# Altium PCB DIOT_Backplane.pcbdoc (part 5 of 11)
Units mm, origin at the board's own origin, x right, y up, seen from the top; angles counter-clockwise.
Board outline 304.8 x 128.5 mm, 14 copper layers (Top Layer, L2, L3GND, L4, L5GND, L6, L7GND, L8, L9GND, L10, L11GND, L12, L13GND, Bottom Layer), stack 4.06 mm thick; 141 components, 1224 nets, 5318 pads, 471 vias.
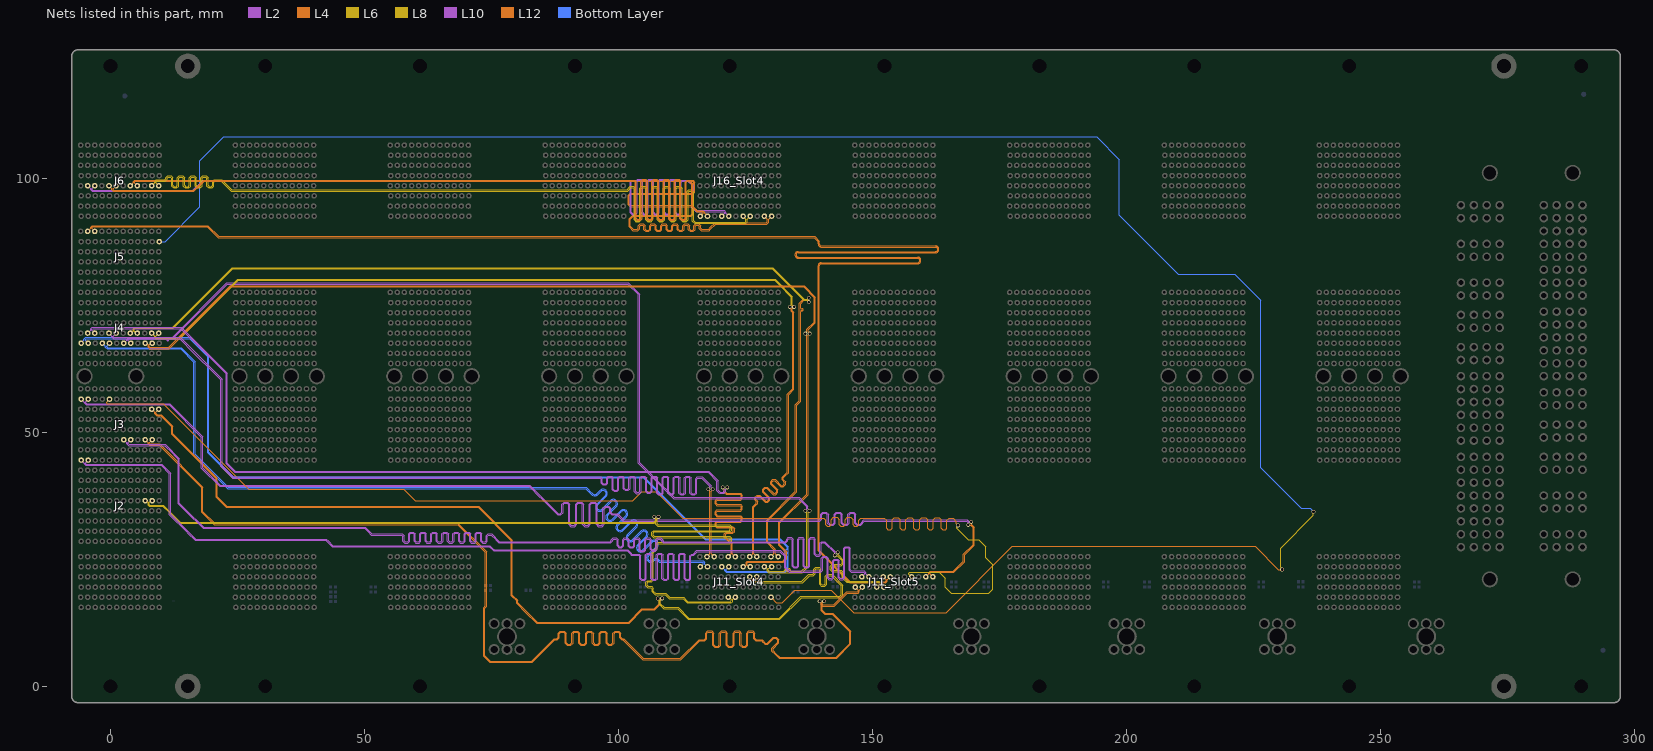
[diagram p17: the nets of this part, all layers, seen from the top]

## Via types
v1: diameter 0.75, hole 0.5, Top Layer to Bottom Layer, tented both sides, 429 vias
v2: diameter 0.85, hole 0.5, Top Layer to Bottom Layer, tented both sides, 32 vias
v3: diameter 1.3, hole 1, Top Layer to Bottom Layer, tented both sides, 10 vias

## Nets (pads, with @x,y where several pads share a name; then routed paths per layer and width w, separated by ;. In a path a pad name is that pad's centre, name@x,y a point inside that pad or via, vN(x,y) a via of type N, cw(c..) or ccw(c..) an arc to the next point about the centre after c; other vN are vias at no path point) (continued)
4_DIFF_4_N: J3.L6 J11_Slot4.I4 | length 198
  L8 w0.12: v1@107.709,17.311 107.709,17.233 108.013,16.929 108.013,16.15 108.909,15.254 111.703,15.254 113.776,13.181 131.751,13.181 136.05,17.48 139.048,17.48 139.055,17.487 140.793,17.487 140.8,17.48 143.65,17.48 144.131,17.962 144.131,19.946 142.057,22.02 141.379,22.02 141.129,22.02 140.75,21.641 140.75,20.234 140.53,20.013 140.089,20.013 139.868,20.234 139.868,23.056 139.49,23.435 138.825,23.435 138.446,23.056 138.446,22.24 138.226,22.02 137.959,22.02 137.51,22.02 136.13,20.64 129.663,20.64 129.615,20.688 126.767,20.688 126.675,20.78 126.675,21.182 127.043,21.55 J11_Slot4.I4@127.24,21.55
  L12 w0.102: J3.L6@9.52,54.55 8.935,53.965 8.935,53.793 9.246,53.482 10.006,53.482 12.302,51.186 12.302,49.699 21.041,40.959 21.041,37.286 22.88,35.447 72.486,35.447 79.141,28.792 79.141,23.267 79.141,17.971 80.208,16.904 80.208,16.444 81.804,14.847 84.037,12.615 101.993,12.615 104.643,15.265 107.082,15.265 108.033,16.216 108.033,16.987 v1@107.709,17.311
  other v1: 107.734,17.296
4_DIFF_4_P: J3.K6 J11_Slot4.H4 | length 197.8
  L8 w0.12: v1(108.586,17.311) 108.586,17.233 108.283,16.929 108.283,16.262 109.021,15.524 111.815,15.524 113.888,13.45 131.639,13.45 135.938,17.75 138.936,17.75 138.943,17.757 140.905,17.757 140.912,17.75 143.538,17.75 143.861,18.073 143.861,19.834 141.946,21.75 141.379,21.75 141.24,21.75 141.02,21.53 141.02,20.122 140.641,19.744 139.977,19.744 139.598,20.122 139.598,22.944 139.378,23.165 138.937,23.165 138.716,22.944 138.716,22.129 138.338,21.75 137.959,21.75 137.622,21.75 136.242,20.37 129.551,20.37 129.504,20.418 126.655,20.418 126.405,20.668 126.405,21.182 126.037,21.55 J11_Slot4.H4@125.84,21.55
  L12 w0.102: J3.K6@8.12,54.55 8.706,53.964 8.706,53.698 9.151,53.253 9.911,53.253 12.073,51.092 12.073,49.604 20.812,40.864 20.812,37.191 22.785,35.218 72.391,35.218 78.912,28.697 78.912,23.362 78.912,17.876 79.979,16.81 79.979,16.349 81.71,14.618 83.943,12.385 102.087,12.385 104.737,15.035 107.177,15.035 108.262,16.121 108.262,16.987 v1(108.586,17.311)
4_DIFF_5_N: J4.H3 J11_Slot4.K5 | length 199.4
  L8 w0.12: J11_Slot4.K5@130.14,23.55 129.943,23.55 129.535,23.142 129.535,22.807 129.696,22.645 132.163,22.645 132.524,22.645 ccw(c132.524,22.832) 132.71,22.852 cw(c132.896,22.872) 132.877,23.057 cw(c132.896,22.872) 133.082,22.891 133.089,22.831 ccw(c133.275,22.851) 133.294,22.665 ccw(c133.275,22.851) 133.461,22.87 133.451,22.957 cw(c133.637,22.977) 133.618,23.163 cw(c133.637,22.977) 133.823,22.996 133.843,22.813 ccw(c134.029,22.832) 134.029,22.645 134.579,22.645 136.037,22.645 137.057,23.665 137.057,34.198 136.766,34.489 v1(136.766,34.583)
  L10 w0.102: J4.H3@4.02,67.55 3.434,68.135 3.434,68.262 3.598,68.426 10.129,68.426 10.52,68.426 10.927,68.426 cw(c10.927,68.248) 11.105,68.248 ccw(c11.283,68.248) 11.283,68.07 ccw(c11.283,68.248) 11.461,68.248 cw(c11.639,68.248) 11.639,68.426 12.033,68.426 12.273,68.426 23.032,79.186 101.884,79.186 103.933,77.137 103.933,43.913 109.058,38.788 110.896,36.95 135.52,36.95 136.52,35.95 137.077,35.393 137.077,34.934 136.766,34.622 v1(136.766,34.583)
4_DIFF_5_P: J4.G3 J11_Slot4.J5 | length 199.4
  L8 w0.12: J11_Slot4.J5@128.74,23.55 128.857,23.55 129.265,23.142 129.265,22.695 129.584,22.375 136.149,22.375 137.326,23.553 137.326,34.198 137.618,34.489 v1(137.618,34.583)
  L10 w0.102: J4.G3@2.62,67.55 3.206,68.135 3.206,68.357 3.503,68.655 12.178,68.655 22.938,79.415 101.979,79.415 104.162,77.232 104.162,44.008 109.058,39.112 109.22,38.95 110.991,37.179 135.615,37.179 136.52,36.274 137.306,35.488 137.306,34.934 137.618,34.622 v1(137.618,34.583)
4_DIFF_6_N: J4.K3 J11_Slot4.H5 | length 202.7
  L4 w0.102: J4.K3@8.22,67.55 7.959,67.55 7.634,67.226 7.634,66.843 7.672,66.805 7.763,66.714 11.492,66.714 23.618,78.841 136.577,78.841 138.781,76.637 138.781,71.587 137.349,70.155 137.349,69.801 137.66,69.489 v1(137.66,69.45)
  L12 w0.102: J11_Slot4.H5@125.94,23.55 125.679,23.55 125.355,23.874 125.355,24.295 125.483,24.423 132.449,24.423 133.116,25.09 133.116,26.525 132.338,27.303 131.762,27.879 131.762,32.162 137.349,37.749 137.349,69.15 137.649,69.45 v1(137.66,69.45)
4_DIFF_6_P: J4.J3 J11_Slot4.G5 | length 202.7
  L4 w0.102: J4.J3@6.82,67.55 7.081,67.55 7.405,67.226 7.405,66.748 7.51,66.644 7.668,66.485 11.587,66.485 23.713,78.612 136.482,78.612 138.552,76.542 138.552,71.682 137.12,70.25 137.12,69.801 136.808,69.489 v1(136.808,69.45)
  L12 w0.102: J11_Slot4.G5@124.54,23.55 124.801,23.55 125.126,23.874 125.126,24.39 125.388,24.652 132.354,24.652 132.887,25.185 132.887,26.43 132.176,27.141 132.014,27.303 131.533,27.785 131.533,32.257 137.12,37.844 137.12,69.15 136.82,69.45 v1(136.808,69.45)
4_DIFF_7_N: J4.C4 J11_Slot4.F6 | length 198.1
  L2 w0.102: J4.C4@-3.08,69.55 -3.665,70.136 -3.665,70.272 -3.514,70.423 11.25,70.423 13.894,70.423 17.613,66.705 22.774,61.543 22.774,43.859 24.512,42.121 117.679,42.121 119.4,40.4 119.4,38.527 119.797,38.13 119.915,38.012 120.739,38.012 121.095,38.367 121.095,38.804 121.407,39.116 v1(121.407,39.155)
  L12 w0.102: v1(121.407,39.155) 121.407,39.116 121.095,38.804 121.095,38.332 121.095,38.214 121.311,37.998 124.047,37.998 124.397,37.648 124.397,37.026 124.047,36.676 119.458,36.676 119.242,36.46 119.242,36.028 119.458,35.812 124.047,35.812 124.397,35.462 124.397,34.84 124.047,34.49 119.458,34.49 119.242,34.274 119.242,33.842 119.458,33.626 124.047,33.626 124.397,33.276 124.397,32.654 124.047,32.304 119.458,32.304 119.242,32.088 119.242,31.656 119.458,31.44 122.521,31.44 122.871,31.09 122.871,30.468 122.521,30.118 121.311,30.118 121.095,29.902 121.095,29.601 121.095,29.395 121.64,28.85 122.454,28.036 122.454,26.136 J11_Slot4.F6@123.04,25.55
4_DIFF_7_P: J4.B4 J11_Slot4.E6 | length 198.1
  L2 w0.102: J4.B4@-4.48,69.55 -3.895,70.136 -3.895,70.366 -3.609,70.652 11.345,70.652 13.989,70.652 17.613,67.029 23.003,61.638 23.003,43.954 24.606,42.35 117.774,42.35 119.216,40.908 119.629,40.495 119.629,38.621 120.01,38.241 120.645,38.241 120.866,38.462 120.866,38.804 120.555,39.116 v1(120.555,39.155)
  L12 w0.102: v1(120.555,39.155) 120.555,39.116 120.866,38.804 120.866,38.332 120.866,38.119 121.216,37.769 123.952,37.769 124.168,37.553 124.168,37.121 123.952,36.905 119.363,36.905 119.013,36.555 119.013,35.933 119.363,35.583 123.952,35.583 124.168,35.367 124.168,34.935 123.952,34.719 119.363,34.719 119.013,34.369 119.013,33.747 119.363,33.397 123.952,33.397 124.168,33.181 124.168,32.749 123.952,32.533 119.363,32.533 119.013,32.183 119.013,31.561 119.363,31.211 122.426,31.211 122.642,30.995 122.642,30.563 122.426,30.347 121.216,30.347 120.866,29.997 120.866,29.601 120.866,29.3 121.478,28.688 121.64,28.526 122.226,27.941 122.226,26.136 J11_Slot4.E6@121.64,25.55
4_DIFF_8_N: J4.F4 J11_Slot4.C6 | length 202.7
  L2 w0.102: J4.F4@1.12,69.55 0.534,68.965 0.534,68.864 0.728,68.671 9.24,68.671 13.703,68.671 21.966,60.408 21.966,43.466 24.194,41.238 93.24,41.238 96.475,41.238 96.825,40.888 96.825,40.117 97.041,39.901 97.473,39.901 97.689,40.117 97.689,41.017 98.039,41.367 98.661,41.367 99.011,41.017 99.011,38.819 99.227,38.603 99.659,38.603 99.875,38.819 99.875,41.017 100.225,41.367 100.847,41.367 101.197,41.017 101.197,39.017 101.413,38.801 101.845,38.801 102.061,39.017 102.061,41.017 102.411,41.367 103.033,41.367 103.383,41.017 103.383,38.395 103.599,38.179 104.031,38.179 104.247,38.395 104.247,41.017 104.597,41.367 105.219,41.367 105.569,41.017 105.569,38.452 105.785,38.236 106.217,38.236 106.433,38.452 106.433,41.017 106.783,41.367 107.405,41.367 107.755,41.017 107.755,38.152 107.971,37.936 108.403,37.936 108.619,38.152 108.619,41.017 108.969,41.367 109.591,41.367 109.941,41.017 109.941,38.152 110.157,37.936 110.589,37.936 110.805,38.152 110.805,41.017 111.155,41.367 111.777,41.367 112.127,41.017 112.127,38.152 112.343,37.936 112.775,37.936 112.991,38.152 112.991,41.017 113.341,41.367 113.963,41.367 114.313,41.017 114.313,38.152 114.529,37.936 114.961,37.936 115.177,38.152 115.177,40.888 115.527,41.238 115.74,41.238 116.547,41.238 118.254,39.53 118.254,39.132 118.566,38.82 v1(118.566,38.781)
  L12 w0.102: v1(118.566,38.781) 118.566,38.742 118.254,38.43 118.254,38.038 118.255,26.136 J11_Slot4.C6@118.84,25.55
4_DIFF_8_P: J4.E4 J11_Slot4.B6 | length 202.7
  L2 w0.102: J4.E4@-0.28,69.55 0.306,68.965 0.306,68.769 0.633,68.442 13.609,68.442 14.904,67.146 15.066,66.984 21.737,60.313 21.737,43.372 24.1,41.009 93.24,41.009 96.38,41.009 96.596,40.793 96.596,40.022 96.946,39.672 97.568,39.672 97.918,40.022 97.918,40.922 98.134,41.138 98.566,41.138 98.782,40.922 98.782,38.724 99.132,38.374 99.754,38.374 100.104,38.724 100.104,40.922 100.32,41.138 100.752,41.138 100.968,40.922 100.968,38.922 101.318,38.572 101.94,38.572 102.29,38.922 102.29,40.922 102.506,41.138 102.938,41.138 103.154,40.922 103.154,38.3 103.504,37.95 104.126,37.95 104.476,38.3 104.476,40.922 104.692,41.138 105.124,41.138 105.34,40.922 105.34,38.357 105.69,38.007 106.312,38.007 106.662,38.357 106.662,40.922 106.878,41.138 107.31,41.138 107.526,40.922 107.526,38.057 107.876,37.707 108.498,37.707 108.848,38.057 108.848,40.922 109.064,41.138 109.496,41.138 109.712,40.922 109.712,38.057 110.062,37.707 110.684,37.707 111.034,38.057 111.034,40.922 111.25,41.138 111.682,41.138 111.898,40.922 111.898,38.057 112.248,37.707 112.87,37.707 113.22,38.057 113.22,40.922 113.436,41.138 113.868,41.138 114.084,40.922 114.084,38.057 114.434,37.707 115.056,37.707 115.406,38.057 115.406,40.793 115.622,41.009 115.74,41.009 116.452,41.009 118.025,39.435 118.025,39.132 117.714,38.82 v1(117.714,38.781)
  L12 w0.102: J11_Slot4.B6@117.44,25.55 118.025,26.136 118.025,38.43 117.714,38.742 v1(117.714,38.781)
4_DIFF_9_N: J4.I4 J11_Slot4.L6 | length 197.5
  L12 w0.102: J11_Slot4.L6@131.44,25.55 130.855,26.136 130.855,27.022 129.39,28.486 129.39,32.61 135.072,38.292 135.072,55.328 135.868,56.124 135.868,73.35 135.868,73.757 cw(c136.046,73.757) 136.046,73.935 136.198,73.935 ccw(c136.198,74.113) 136.376,74.113 ccw(c136.198,74.113) 136.198,74.291 136.046,74.291 cw(c136.046,74.469) 135.868,74.469 135.868,74.717 135.868,75.334 136.494,75.96 137.134,75.96 137.446,75.648 v1(137.485,75.648)
  L6 w0.102: J4.I4@5.32,69.55 5.059,69.55 4.735,69.874 4.735,70.321 4.887,70.473 12.358,70.473 24.042,82.157 130.289,82.157 136.486,75.96 137.134,75.96 137.446,75.648 v1(137.485,75.648)
4_DIFF_9_P: J4.H4 J11_Slot4.K6 | length 197.6
  L12 w0.102: J11_Slot4.K6@130.04,25.55 130.625,26.136 130.625,26.927 129.161,28.391 129.161,32.705 134.843,38.386 134.843,55.423 135.639,56.219 135.639,75.429 136.399,76.189 137.134,76.189 137.446,76.5 v1(137.485,76.5)
  L6 w0.102: J4.H4@3.92,69.55 4.181,69.55 4.506,69.874 4.506,70.416 4.792,70.702 12.263,70.702 23.947,82.386 130.384,82.386 136.581,76.189 137.134,76.189 137.446,76.5 v1(137.485,76.5)
4_DIFF_10_N: J4.L4 J11_Slot4.I6 | length 199
  L12 w0.102: J11_Slot4.I6@127.24,25.55 126.654,26.136 126.654,35.234 127.253,35.832 127.403,35.983 127.403,36.478 127.078,36.803 127.078,37.109 127.383,37.414 127.689,37.414 128.895,36.208 129.39,36.208 129.83,36.648 129.83,37.143 128.624,38.349 128.624,38.655 128.929,38.96 129.235,38.96 130.44,37.754 130.936,37.754 131.375,38.194 131.375,38.689 130.169,39.895 130.169,40.2 130.475,40.506 130.78,40.506 131.986,39.3 132.481,39.3 132.921,39.74 132.921,40.235 132.441,40.715 132.441,41.02 132.844,41.424 133.497,42.077 133.497,57.425 134.52,58.447 134.52,73.635 134.259,73.896 134.259,74.339 134.571,74.651 v1(134.571,74.69)
  L6 w0.102: J4.L4@9.52,69.55 8.934,68.965 8.934,68.721 9.036,68.619 13.558,68.619 25.065,80.126 130.868,80.126 134.259,76.734 134.259,75.041 134.571,74.729 v1(134.571,74.69)
4_DIFF_10_P: J4.K4 J11_Slot4.H6 | length 199
  L12 w0.102: J11_Slot4.H6@125.84,25.55 126.426,26.136 126.426,35.329 127.091,35.994 127.174,36.078 127.174,36.383 126.849,36.709 126.849,37.204 127.289,37.643 127.784,37.643 128.99,36.437 129.295,36.437 129.601,36.743 129.601,37.048 128.395,38.254 128.395,38.749 128.834,39.189 129.329,39.189 130.535,37.983 130.841,37.983 131.146,38.289 131.146,38.594 129.94,39.8 129.94,40.295 130.38,40.735 130.875,40.735 132.081,39.529 132.387,39.529 132.692,39.834 132.692,40.14 132.212,40.62 132.212,41.115 132.682,41.586 133.268,42.171 133.268,57.519 134.291,58.542 134.291,73.54 134.03,73.801 134.03,74.339 133.719,74.651 v1(133.719,74.69)
  L6 w0.102: J4.K4@8.12,69.55 8.705,68.965 8.705,68.626 8.941,68.39 13.653,68.39 25.16,79.897 130.773,79.897 132.72,77.95 132.882,77.788 134.03,76.64 134.03,75.041 133.719,74.729 v1(133.719,74.69)
4_DIFF_11_N: J6.C4 J16_Slot4.E1 | length 196.9
  L10 w0.102: J6.C4@-3.08,98.55 -3.665,97.965 -3.665,97.868 -3.447,97.649 16.22,97.649 18.226,99.656 101.599,99.656 102.219,99.656 102.569,99.306 102.569,93.285 102.785,93.069 103.217,93.069 103.433,93.285 103.433,99.488 103.783,99.838 104.405,99.838 104.755,99.488 104.755,93.285 104.971,93.069 105.403,93.069 105.619,93.285 105.619,99.488 105.969,99.838 106.591,99.838 106.941,99.488 106.941,93.285 107.157,93.069 107.589,93.069 107.805,93.285 107.805,99.488 108.155,99.838 108.777,99.838 109.127,99.488 109.127,93.285 109.343,93.069 109.775,93.069 109.991,93.285 109.991,99.488 110.341,99.838 110.963,99.838 111.313,99.488 111.313,93.285 111.529,93.069 111.961,93.069 112.177,93.285 112.177,99.306 112.527,99.656 112.74,99.656 113.758,99.656 114.769,98.645 114.769,94.349 115.418,93.699 120.819,93.699 121.154,93.364 121.154,93.136 J16_Slot4.E1@121.74,92.55
4_DIFF_11_P: J6.B4 J16_Slot4.D1 | length 196.9
  L10 w0.102: J6.B4@-4.48,98.55 -3.895,97.965 -3.895,97.774 -3.541,97.421 16.315,97.421 18.321,99.427 101.599,99.427 102.124,99.427 102.34,99.211 102.34,93.19 102.69,92.84 103.312,92.84 103.662,93.19 103.662,99.393 103.878,99.609 104.31,99.609 104.526,99.393 104.526,93.19 104.876,92.84 105.498,92.84 105.848,93.19 105.848,99.393 106.064,99.609 106.496,99.609 106.712,99.393 106.712,93.19 107.062,92.84 107.684,92.84 108.034,93.19 108.034,99.393 108.25,99.609 108.682,99.609 108.898,99.393 108.898,93.19 109.248,92.84 109.87,92.84 110.22,93.19 110.22,99.393 110.436,99.609 110.868,99.609 111.084,99.393 111.084,93.19 111.434,92.84 112.056,92.84 112.406,93.19 112.406,99.211 112.622,99.427 112.74,99.427 113.663,99.427 113.94,99.15 114.102,98.988 114.54,98.55 114.54,94.254 115.324,93.47 120.724,93.47 120.926,93.269 120.926,93.136 J16_Slot4.D1@120.34,92.55
4_DIFF_12_N: J6.F4 J16_Slot4.B1 | length 199.9
  L4 w0.102: J6.F4@1.12,98.55 0.534,97.965 0.534,97.829 0.677,97.687 16.356,97.687 18.337,99.668 101.899,99.668 103.205,99.668 103.555,99.318 103.555,92.168 103.771,91.952 104.203,91.952 104.419,92.168 104.419,99.515 104.769,99.865 105.391,99.865 105.741,99.515 105.741,92.168 105.957,91.952 106.389,91.952 106.605,92.168 106.605,99.515 106.955,99.865 107.577,99.865 107.927,99.515 107.927,92.168 108.143,91.952 108.575,91.952 108.791,92.168 108.791,99.515 109.141,99.865 109.763,99.865 110.113,99.515 110.113,92.168 110.329,91.952 110.761,91.952 110.977,92.168 110.977,99.515 111.327,99.865 111.949,99.865 112.299,99.515 112.299,92.168 112.515,91.952 112.947,91.952 113.163,92.168 113.163,99.318 113.513,99.668 113.894,99.668 113.946,99.668 114.012,99.602 114.669,98.945 114.669,94.499 115.545,93.623 116.628,93.623 116.955,93.296 116.955,93.136 J16_Slot4.B1@117.54,92.55
4_DIFF_12_P: J6.E4 J16_Slot4.A1 | length 199.9
  L4 w0.102: J6.E4@-0.28,98.55 0.306,97.965 0.306,97.735 0.582,97.458 16.45,97.458 18.432,99.439 101.899,99.439 103.11,99.439 103.326,99.223 103.326,92.074 103.676,91.723 104.298,91.723 104.648,92.074 104.648,99.42 104.864,99.636 105.296,99.636 105.512,99.42 105.512,92.074 105.862,91.723 106.484,91.723 106.834,92.074 106.834,99.42 107.05,99.636 107.482,99.636 107.698,99.42 107.698,92.074 108.048,91.723 108.67,91.723 109.02,92.074 109.02,99.42 109.236,99.636 109.668,99.636 109.884,99.42 109.884,92.074 110.234,91.723 110.856,91.723 111.206,92.074 111.206,99.42 111.422,99.636 111.854,99.636 112.07,99.42 112.07,92.074 112.42,91.723 113.042,91.723 113.392,92.074 113.392,99.223 113.608,99.439 113.851,99.439 113.917,99.373 113.945,99.345 114.012,99.278 114.44,98.85 114.44,94.404 115.45,93.394 116.533,93.394 116.725,93.202 116.725,93.136 J16_Slot4.A1@116.14,92.55
4_DIFF_13_N: J6.I4 J16_Slot4.K1 | length 196.9
  L12 w0.102: J6.I4@5.32,98.55 4.734,99.136 4.734,99.229 4.893,99.388 108.44,99.388 114.636,99.388 114.847,99.178 114.847,97.325 114.571,97.05 102.373,97.05 101.953,96.629 101.953,94.807 102.309,94.45 114.24,94.45 114.54,94.15 114.54,93.044 114.246,92.75 102.816,92.75 102.111,92.045 102.111,90.455 102.845,89.721 103.604,89.721 103.817,89.721 104.168,90.071 104.168,90.576 104.384,90.792 104.816,90.792 105.032,90.576 105.032,89.903 105.382,89.553 106.003,89.553 106.354,89.903 106.354,90.576 106.57,90.792 107.002,90.792 107.218,90.576 107.218,89.903 107.568,89.553 108.189,89.553 108.54,89.903 108.54,90.576 108.756,90.792 109.188,90.792 109.404,90.576 109.404,89.903 109.754,89.553 110.375,89.553 110.726,89.903 110.726,90.576 110.942,90.792 111.374,90.792 111.59,90.576 111.59,89.903 111.94,89.553 112.561,89.553 112.912,89.903 112.912,90.576 113.127,90.792 113.56,90.792 113.776,90.576 113.776,89.903 114.126,89.553 114.747,89.553 115.097,89.903 115.097,90.576 115.313,90.792 115.745,90.792 115.961,90.576 115.961,90.071 116.312,89.721 117.835,89.721 118.125,90.011 119.12,91.006 129.226,91.006 129.554,91.334 129.555,91.965 J16_Slot4.K1@130.14,92.55
4_DIFF_13_P: J6.H4 J16_Slot4.J1 | length 196.9
  L12 w0.102: J6.H4@3.92,98.55 4.506,99.136 4.506,99.324 4.799,99.617 114.731,99.617 115.076,99.273 115.076,97.231 114.666,96.821 102.468,96.821 102.182,96.535 102.182,94.902 102.404,94.679 114.335,94.679 114.769,94.245 114.769,92.95 114.34,92.521 102.911,92.521 102.34,91.95 102.34,90.55 102.607,90.283 102.94,89.95 103.604,89.95 103.723,89.95 103.939,90.166 103.939,90.671 104.289,91.021 104.91,91.021 105.261,90.671 105.261,89.998 105.477,89.782 105.909,89.782 106.125,89.998 106.125,90.671 106.475,91.021 107.096,91.021 107.447,90.671 107.447,89.998 107.663,89.782 108.095,89.782 108.311,89.998 108.311,90.671 108.661,91.021 109.282,91.021 109.633,90.671 109.633,89.998 109.849,89.782 110.281,89.782 110.497,89.998 110.497,90.671 110.847,91.021 111.468,91.021 111.819,90.671 111.819,89.998 112.035,89.782 112.467,89.782 112.683,89.998 112.683,90.671 113.033,91.021 113.654,91.021 114.004,90.671 114.004,89.998 114.22,89.782 114.652,89.782 114.868,89.998 114.868,90.671 115.219,91.021 115.84,91.021 116.19,90.671 116.19,90.166 116.406,89.95 117.74,89.95 118.125,90.335 119.025,91.235 129.132,91.235 129.325,91.429 129.325,91.964 J16_Slot4.J1@128.74,92.55
4_DIFF_14_N: J6.L4 J16_Slot4.H1 | length 202.8
  L8 w0.12: J6.L4@9.52,98.55 8.955,99.115 8.955,99.23 9.144,99.419 10.156,99.419 10.786,99.419 11.164,99.797 11.164,100.028 11.385,100.249 11.826,100.249 12.046,100.028 12.046,98.481 12.425,98.102 13.09,98.102 13.468,98.481 13.468,100.028 13.689,100.249 14.13,100.249 14.35,100.028 14.35,98.481 14.729,98.102 15.394,98.102 15.772,98.481 15.772,100.028 15.993,100.249 16.434,100.249 16.654,100.028 16.654,98.481 17.033,98.102 17.698,98.102 18.076,98.481 18.076,100.028 18.297,100.249 18.738,100.249 18.958,100.028 18.958,98.481 19.337,98.102 20.002,98.102 20.38,98.481 20.38,99.198 20.601,99.419 20.74,99.419 21.808,99.419 23.789,97.437 101.383,97.437 101.54,97.437 101.652,97.437 101.808,97.437 102.186,97.816 102.186,97.908 102.407,98.129 102.848,98.129 103.068,97.908 103.068,91.807 103.447,91.429 104.112,91.429 104.49,91.807 104.49,97.908 104.711,98.129 105.152,98.129 105.372,97.908 105.372,91.807 105.751,91.429 106.415,91.429 106.794,91.807 106.794,97.908 107.014,98.129 107.455,98.129 107.676,97.908 107.676,91.807 108.054,91.429 108.719,91.429 109.097,91.807 109.097,97.908 109.318,98.129 109.759,98.129 109.979,97.908 109.979,91.807 110.358,91.429 111.023,91.429 111.401,91.807 111.401,97.908 111.622,98.129 112.063,98.129 112.283,97.908 112.283,91.807 112.662,91.429 113.326,91.429 113.705,91.807 113.705,97.217 113.925,97.437 114.064,97.437 114.253,97.437 114.54,97.15 114.54,91.577 115.005,91.113 115.104,91.113 125.095,91.113 125.375,91.393 125.375,91.985 J16_Slot4.H1@125.94,92.55
4_DIFF_14_P: J6.K4 J16_Slot4.G1 | length 202.8
  L8 w0.12: J6.K4@8.12,98.55 8.685,99.115 8.685,99.342 9.032,99.689 10.156,99.689 10.674,99.689 10.894,99.909 10.894,100.14 11.273,100.519 11.938,100.519 12.316,100.14 12.316,98.593 12.537,98.372 12.978,98.372 13.198,98.593 13.198,100.14 13.577,100.519 14.242,100.519 14.62,100.14 14.62,98.593 14.841,98.372 15.282,98.372 15.502,98.593 15.502,100.14 15.881,100.519 16.546,100.519 16.924,100.14 16.924,98.593 17.145,98.372 17.586,98.372 17.806,98.593 17.806,100.14 18.185,100.519 18.85,100.519 19.228,100.14 19.228,98.593 19.449,98.372 19.89,98.372 20.11,98.593 20.11,99.31 20.489,99.689 20.74,99.689 21.92,99.689 23.901,97.707 101.272,97.707 101.54,97.707 101.696,97.707 101.917,97.928 101.917,98.02 102.295,98.398 102.96,98.398 103.338,98.02 103.338,91.919 103.559,91.699 104,91.699 104.22,91.919 104.22,98.02 104.599,98.398 105.263,98.398 105.642,98.02 105.642,91.919 105.862,91.699 106.303,91.699 106.524,91.919 106.524,98.02 106.902,98.398 107.567,98.398 107.946,98.02 107.946,91.919 108.166,91.699 108.607,91.699 108.828,91.919 108.828,98.02 109.206,98.398 109.871,98.398 110.249,98.02 110.249,91.919 110.47,91.699 110.911,91.699 111.131,91.919 111.131,98.02 111.51,98.398 112.174,98.398 112.553,98.02 112.553,91.919 112.773,91.699 113.214,91.699 113.435,91.919 113.435,97.329 113.814,97.707 113.953,97.707 114.064,97.707 114.364,97.707 114.81,97.262 114.81,91.689 115.116,91.383 115.216,91.383 124.983,91.383 125.105,91.505 125.105,91.985 J16_Slot4.G1@124.54,92.55
4_DIFF_15_N: J2.K5 J11_Slot4.F2 | length 197.3
  L8 w0.12: v1(107.042,33.364) 107.042,33.27 107.333,32.979 107.333,32.175 107.333,31.924 107.711,31.546 121.826,31.546 122.046,31.325 122.046,30.884 121.826,30.664 106.981,30.664 106.602,30.285 106.602,29.621 106.981,29.242 121.826,29.242 122.046,29.021 122.046,28.58 121.826,28.36 107.711,28.36 107.333,27.981 107.333,27.15 106.631,26.448 106.631,22.084 106.631,21.052 106.411,20.832 105.74,20.832 105.361,20.453 105.361,19.789 105.74,19.41 106.411,19.41 106.631,19.19 106.631,19.05 106.631,18.618 107.203,18.046 109.174,18.046 109.97,17.25 112.743,17.25 113.131,16.861 113.561,16.432 122.211,16.432 122.475,16.696 122.475,17.182 122.843,17.55 J11_Slot4.F2@123.04,17.55
  L6 w0.102: J2.K5@8.22,36.55 7.959,36.55 7.635,36.226 7.635,35.953 7.634,35.735 7.694,35.675 10.438,35.675 13.791,32.323 106.982,32.323 107.353,32.694 107.353,33.013 107.042,33.325 v1(107.042,33.364)
4_DIFF_15_P: J2.J5 J11_Slot4.E2 | length 197.1
  L8 w0.12: v1(107.894,33.364) 107.894,33.27 107.603,32.979 107.603,32.175 107.603,32.036 107.823,31.815 121.938,31.815 122.316,31.437 122.316,30.772 121.938,30.394 107.093,30.394 106.872,30.173 106.872,29.732 107.093,29.512 121.938,29.512 122.316,29.133 122.316,28.469 121.938,28.09 107.823,28.09 107.603,27.87 107.603,27.15 107.603,27.038 106.901,26.337 106.901,22.084 106.901,20.94 106.523,20.562 105.852,20.562 105.631,20.341 105.631,19.9 105.852,19.68 106.523,19.68 106.901,19.301 106.901,19.05 106.901,18.73 107.315,18.316 109.286,18.316 110.082,17.52 112.854,17.52 113.401,16.973 113.673,16.702 122.099,16.702 122.205,16.808 122.205,17.182 121.837,17.55 J11_Slot4.E2@121.64,17.55
  L6 w0.102: J2.J5@6.82,36.55 7.081,36.55 7.406,36.226 7.406,36.048 7.405,35.64 7.599,35.446 10.344,35.446 11.44,34.35 11.602,34.188 13.696,32.094 107.077,32.094 107.582,32.599 107.582,33.013 107.894,33.325 v1(107.894,33.364)
4_MGT_Rx_N: J4.E3 J11_Slot4.B5 | length 185.4
  Bottom Layer w0.15: J4.E3@-0.18,67.55 -0.754,66.976 -0.754,66.867 -0.563,66.676 11.78,66.676 13.902,66.676 16.705,63.872 16.705,45.685 23.24,39.151 26.512,39.151 87.752,39.151 93.699,39.151 94.127,38.724 94.306,38.545 94.942,37.909 ccw(c95.355,38.32) 95.768,37.908 96.412,38.553 ; 96.413,38.553 cw(c97.003,37.963) 97.593,38.554 cw(c97.003,37.963) 97.593,37.373 95.925,35.705 ccw(c96.339,35.294) 96.752,34.883 98.417,36.548 ; 97.931,32.878 cw(c98.344,33.29) 97.93,33.701 99.597,35.368 ccw(c99.008,35.959) 99.598,36.549 ccw(c99.008,35.959) 98.417,36.548 ; 97.932,32.877 ccw(c98.344,33.29) 98.756,32.878 ; 98.757,32.878 100.422,34.543 ; 99.936,30.873 cw(c100.348,31.285) 99.935,31.696 101.602,33.363 ccw(c101.013,33.954) 101.603,34.544 ccw(c101.013,33.954) 100.422,34.544 ; 99.937,30.872 ccw(c100.348,31.285) 100.761,30.873 102.427,32.538 ; 101.94,28.868 cw(c102.353,29.28) 101.94,29.691 103.607,31.358 ccw(c103.018,31.949) 103.608,32.539 ccw(c103.018,31.949) 102.427,32.539 ; 101.941,28.867 ccw(c102.353,29.28) 102.766,28.868 ; 102.766,28.868 104.431,30.534 cw(c105.022,29.944) 105.612,30.534 cw(c105.022,29.944) 105.612,29.354 ; 103.945,26.863 cw(c104.358,27.275) 103.945,27.686 105.612,29.353 ; 103.946,26.862 ccw(c104.358,27.275) 104.771,26.863 106.436,28.529 ; 105.95,24.859 cw(c106.363,25.27) 105.949,25.682 107.617,27.349 ccw(c107.027,27.94) 107.617,28.53 ccw(c107.027,27.94) 106.437,28.529 ; 105.951,24.858 ccw(c106.363,25.27) 106.775,24.859 ; 106.776,24.859 106.793,24.876 cw(c107.384,24.287) 107.935,24.914 107.937,24.914 107.973,24.878 cw(c107.384,24.287) 107.974,24.876 ; 107.974,24.876 108.011,24.84 108.116,24.735 108.125,24.726 116.691,24.726 116.966,24.451 116.966,24.068 117.483,23.55 J11_Slot4.B5@117.54,23.55
4_MGT_Rx_P: J4.D3 J11_Slot4.A5 | length 185.4
  Bottom Layer w0.15: J4.D3@-1.58,67.55 -1.006,66.976 -1.006,66.763 -0.667,66.424 11.78,66.424 13.798,66.424 16.454,63.768 16.454,45.581 23.135,38.9 26.408,38.9 87.752,38.899 93.595,38.9 93.949,38.546 94.091,38.404 ccw(c94.18,38.493) 94.092,38.403 94.764,37.731 ccw(c95.355,38.32) 95.946,37.731 96.592,38.377 cw(c97.003,37.963) 97.414,38.377 ; 95.749,35.885 ccw(c96.339,35.294) 96.93,34.705 98.597,36.372 cw(c99.008,35.959) 99.419,36.372 cw(c99.008,35.959) 99.42,36.371 cw(c99.008,35.959) 99.421,36.37 cw(c99.008,35.959) 99.42,35.546 97.754,33.881 ccw(c98.344,33.29) 97.753,32.699 ccw(c98.344,33.29) 98.934,32.7 ; 95.75,35.885 97.415,37.55 ccw(c97.003,37.963) 97.416,38.375 ccw(c97.003,37.963) 97.415,38.376 ; 98.934,32.7 100.602,34.367 cw(c101.013,33.954) 101.424,34.367 cw(c101.013,33.954) 101.425,34.366 cw(c101.013,33.954) 101.426,34.365 cw(c101.013,33.954) 101.424,33.541 99.759,31.876 ; 99.759,31.875 ccw(c100.348,31.285) 99.758,30.695 ccw(c100.348,31.285) 100.939,30.695 102.606,32.362 cw(c103.018,31.949) 103.429,32.362 cw(c103.018,31.949) 103.43,32.361 cw(c103.018,31.949) 103.431,32.36 cw(c103.018,31.949) 103.429,31.536 ; 102.944,28.69 cw(c102.353,29.28) 101.763,28.69 cw(c102.353,29.28) 101.763,29.87 103.429,31.536 ; 102.944,28.69 104.611,30.358 cw(c105.022,29.944) 105.434,30.358 cw(c105.022,29.944) 105.435,30.357 ; 103.768,27.866 ccw(c104.358,27.275) 103.768,26.685 ccw(c104.358,27.275) 104.949,26.686 106.616,28.353 cw(c107.027,27.94) 107.438,28.353 cw(c107.027,27.94) 107.439,28.352 cw(c107.027,27.94) 107.44,28.351 cw(c107.027,27.94) 107.439,27.527 105.773,25.861 ; 103.769,27.866 105.434,29.531 ccw(c105.022,29.944) 105.435,30.356 ; 105.773,25.861 ccw(c106.363,25.27) 105.773,24.68 ccw(c106.363,25.27) 106.953,24.681 106.971,24.698 cw(c107.384,24.287) 107.797,24.698 107.833,24.662 107.938,24.557 108.021,24.474 116.587,24.474 116.714,24.347 116.714,24.068 116.197,23.55 J11_Slot4.A5@116.14,23.55 ; 97.415,38.376 ccw(c97.003,37.963) 97.414,38.377 ; 105.435,30.356 ccw(c105.022,29.944) 105.435,30.357
4_MGT_Tx_N: J4.B3 J11_Slot4.E5 | length 186.4
  Bottom Layer w0.15: J4.B3@-4.38,67.55 -4.954,68.124 -4.954,68.23 -4.754,68.43 11.983,68.43 15.601,68.431 19.121,64.911 19.121,45.962 24.05,41.033 28.491,41.033 87.447,41.033 104.898,41.033 117.099,28.832 117.202,28.832 131.768,28.832 133.193,27.407 133.193,27.073 133.188,27.029 133.173,26.986 133.15,26.948 133.118,26.917 133.08,26.893 133.038,26.878 132.993,26.873 132.803,26.873 132.758,26.868 132.716,26.853 132.678,26.83 132.646,26.798 132.622,26.76 132.608,26.718 132.603,26.673 132.608,26.629 132.622,26.586 132.646,26.548 132.678,26.517 132.716,26.493 132.758,26.478 132.803,26.473 132.993,26.473 133.038,26.468 133.08,26.453 133.118,26.43 133.15,26.398 133.173,26.36 133.188,26.318 133.193,26.273 133.188,26.229 133.173,26.186 133.15,26.148 133.118,26.117 133.08,26.093 133.038,26.078 132.993,26.073 132.803,26.073 132.758,26.068 132.716,26.053 132.678,26.03 132.646,25.998 132.622,25.96 132.608,25.918 132.603,25.873 132.608,25.829 132.622,25.786 132.646,25.748 132.678,25.717 132.716,25.693 132.758,25.678 132.803,25.673 132.993,25.673 133.038,25.668 133.08,25.653 133.118,25.63 133.15,25.598 133.173,25.56 133.188,25.518 133.193,25.473 133.193,23.117 132.759,22.683 121.357,22.683 121.166,22.874 121.166,22.976 J11_Slot4.E5@121.74,23.55
4_MGT_Tx_P: J4.A3 J11_Slot4.D5 | length 186.4
  Bottom Layer w0.15: J4.A3@-5.78,67.55 -5.206,68.124 -5.206,68.335 -4.858,68.682 11.983,68.682 15.705,68.682 19.372,65.015 19.372,46.066 24.154,41.285 28.595,41.285 87.447,41.285 105.002,41.285 117.203,29.084 131.873,29.084 133.445,27.511 133.445,27.073 133.445,23.013 132.863,22.431 121.253,22.431 120.914,22.77 120.914,22.976 J11_Slot4.D5@120.34,23.55
4_SERVMOD: J5.L5 J11_Slot4.K2 | length 422.6
  L8 w0.102: v1(230.652,23.001) 230.652,23.149 230.353,23.448 230.353,27.233 236.824,33.704 v1(236.824,34.38)
  L12 w0.102: J11_Slot4.K2@130.04,17.55 131.094,16.496 132.275,16.496 134.665,18.886 141.904,18.886 146.301,14.489 164.51,14.489 177.566,27.545 225.343,27.545 229.887,23.001 v1(230.652,23.001)
  Bottom Layer w0.102: J5.L5@9.62,87.55 10.772,87.55 17.62,94.398 17.62,103.45 22.32,108.15 27.42,108.15 194.12,108.15 198.62,103.65 198.62,92.757 210.227,81.15 221.32,81.15 226.477,75.993 226.477,43 234.412,35.065 236.139,35.065 v1(236.824,34.38)
5_CLK_N: J5.C6 J11_Slot5.F4 | length 317.9
  L12 w0.102: J5.C6@-3.08,89.55 -3.665,90.136 -3.665,90.242 -3.447,90.461 19.09,90.461 21.222,88.329 138.527,88.329 139.313,87.543 139.313,87.288 139.313,87.123 ccw(c139.974,87.123) 139.974,86.462 162.435,86.462 cw(c162.435,86.03) 162.867,86.03 cw(c162.435,86.03) 162.435,85.598 135.402,85.598 ccw(c135.402,84.937) 134.741,84.937 ccw(c135.402,84.937) 135.402,84.276 158.9,84.276 cw(c158.9,83.844) 159.332,83.844 cw(c158.9,83.844) 158.9,83.412 139.974,83.412 ccw(c139.974,82.751) 139.313,82.751 139.313,81.136 139.313,26.659 145.562,20.41 152.635,20.41 152.934,20.709 152.934,20.964 J11_Slot5.F4@153.52,21.55
5_CLK_P: J5.B6 J11_Slot5.E4 | length 317.9
  L12 w0.102: J5.B6@-4.48,89.55 -3.895,90.136 -3.895,90.337 -3.541,90.69 19.185,90.69 21.317,88.558 138.621,88.558 139.542,87.637 139.542,87.288 139.542,87.123 ccw(c139.974,87.123) 139.974,86.691 162.435,86.691 cw(c162.435,86.03) 163.096,86.03 cw(c162.435,86.03) 162.435,85.369 135.402,85.369 ccw(c135.402,84.937) 134.97,84.937 ccw(c135.402,84.937) 135.402,84.505 158.9,84.505 cw(c158.9,83.844) 159.561,83.844 cw(c158.9,83.844) 158.9,83.183 139.974,83.183 ccw(c139.974,82.751) 139.542,82.751 139.542,81.136 139.542,26.754 145.657,20.639 152.54,20.639 152.705,20.804 152.705,20.964 J11_Slot5.E4@152.12,21.55
5_DIFF_0_N: J3.H3 J11_Slot5.E3 | length 240.4
  L2 w0.102: J3.H3@4.02,48.55 3.434,47.965 3.434,47.863 3.674,47.624 9.418,47.624 10.799,47.623 13.584,44.838 13.584,36.056 14.777,34.863 18.333,31.307 50.16,31.307 51.252,30.214 51.455,30.011 57.056,30.011 57.474,30.011 57.824,29.661 57.824,28.643 58.04,28.427 58.472,28.427 58.688,28.643 58.688,30.02 59.038,30.37 59.66,30.37 60.01,30.02 60.01,28.643 60.226,28.427 60.658,28.427 60.874,28.643 60.874,30.02 61.224,30.37 61.846,30.37 62.196,30.02 62.196,28.643 62.412,28.427 62.844,28.427 63.06,28.643 63.06,30.02 63.41,30.37 64.032,30.37 64.382,30.02 64.382,28.643 64.598,28.427 65.03,28.427 65.246,28.643 65.246,30.02 65.596,30.37 66.218,30.37 66.568,30.02 66.568,28.643 66.784,28.427 67.216,28.427 67.432,28.643 67.432,30.02 67.782,30.37 68.404,30.37 68.754,30.02 68.754,28.643 68.97,28.427 69.402,28.427 69.618,28.643 69.618,30.02 69.968,30.37 70.59,30.37 70.94,30.02 70.94,28.643 71.156,28.427 71.588,28.427 71.804,28.643 71.804,30.02 72.154,30.37 72.776,30.37 73.126,30.02 73.126,28.643 73.342,28.427 73.774,28.427 73.99,28.643 73.99,29.661 74.34,30.011 74.553,30.011 75.071,30.011 76.569,28.513 98.296,28.513 98.414,28.513 98.63,28.729 98.63,28.866 98.98,29.217 99.602,29.217 99.952,28.866 99.952,27.734 100.168,27.518 100.6,27.518 100.816,27.734 100.816,28.866 101.166,29.217 101.788,29.217 102.138,28.866 102.138,27.685 102.354,27.469 102.786,27.469 103.002,27.685 103.002,28.866 103.352,29.217 103.974,29.217 104.324,28.866 104.324,26.926 104.54,26.71 104.972,26.71 105.188,26.926 105.188,28.866 105.538,29.217 106.16,29.217 106.51,28.866 106.51,27.042 106.726,26.826 107.158,26.826 107.374,27.042 107.374,28.866 107.724,29.217 108.346,29.217 108.696,28.866 108.696,28.729 108.912,28.513 109.302,28.513 132.165,28.513 132.878,28.513 133.094,28.729 133.094,28.979 133.444,29.329 134.065,29.329 134.416,28.979 134.416,23.747 134.632,23.531 135.064,23.531 135.28,23.747 135.28,28.979 135.63,29.329 136.251,29.329 136.602,28.979 136.602,23.747 136.818,23.531 137.25,23.531 137.466,23.747 137.466,28.979 137.816,29.329 138.437,29.329 138.788,28.979 138.788,26.099 139.004,25.883 139.436,25.883 139.652,26.099 139.652,28.162 140.002,28.513 140.215,28.513 140.657,28.513 142.711,26.459 143.089,26.459 v1(143.172,26.376)
  L8 w0.12: v1(143.172,26.376) 143.227,26.321 143.227,25.892 144.292,24.827 144.292,24.599 144.292,24.124 143.913,23.745 142.226,23.745 142.006,23.525 142.006,23.084 142.226,22.863 143.913,22.863 144.292,22.485 144.292,22.234 144.292,21.487 144.706,21.073 145.059,20.72 151.282,20.72 151.655,20.347 151.655,20.115 J11_Slot5.E3@152.22,19.55
5_DIFF_0_P: J3.G3 J11_Slot5.D3 | length 240.4
  L2 w0.102: J3.G3@2.62,48.55 3.206,47.965 3.206,47.768 3.579,47.395 10.704,47.395 11.298,46.801 11.46,46.639 13.355,44.744 13.355,35.962 14.615,34.701 14.777,34.539 18.239,31.078 50.065,31.078 50.928,30.214 51.09,30.052 51.36,29.782 57.056,29.782 57.379,29.782 57.595,29.566 57.595,28.548 57.945,28.198 58.567,28.198 58.917,28.548 58.917,29.925 59.133,30.141 59.565,30.141 59.781,29.925 59.781,28.548 60.131,28.198 60.753,28.198 61.103,28.548 61.103,29.925 61.319,30.141 61.751,30.141 61.967,29.925 61.967,28.548 62.317,28.198 62.939,28.198 63.289,28.548 63.289,29.925 63.505,30.141 63.937,30.141 64.153,29.925 64.153,28.548 64.503,28.198 65.125,28.198 65.475,28.548 65.475,29.925 65.691,30.141 66.123,30.141 66.339,29.925 66.339,28.548 66.689,28.198 67.311,28.198 67.661,28.548 67.661,29.925 67.877,30.141 68.309,30.141 68.525,29.925 68.525,28.548 68.875,28.198 69.497,28.198 69.847,28.548 69.847,29.925 70.063,30.141 70.495,30.141 70.711,29.925 70.711,28.548 71.061,28.198 71.683,28.198 72.033,28.548 72.033,29.925 72.249,30.141 72.681,30.141 72.897,29.925 72.897,28.548 73.247,28.198 73.869,28.198 74.219,28.548 74.219,29.566 74.435,29.782 74.553,29.782 74.976,29.782 75.737,29.021 75.899,28.859 76.474,28.284 98.296,28.284 98.509,28.284 98.859,28.634 98.859,28.772 99.075,28.988 99.507,28.988 99.723,28.772 99.723,27.64 100.073,27.289 100.695,27.289 101.045,27.64 101.045,28.772 101.261,28.988 101.693,28.988 101.909,28.772 101.909,27.59 102.259,27.24 102.881,27.24 103.231,27.59 103.231,28.772 103.447,28.988 103.879,28.988 104.095,28.772 104.095,26.831 104.445,26.481 105.067,26.481 105.417,26.831 105.417,28.772 105.633,28.988 106.065,28.988 106.281,28.772 106.281,26.947 106.631,26.597 107.253,26.597 107.603,26.947 107.603,28.772 107.819,28.988 108.251,28.988 108.467,28.772 108.467,28.634 108.817,28.284 109.302,28.284 132.165,28.284 132.972,28.284 133.323,28.634 133.323,28.884 133.539,29.1 133.971,29.1 134.187,28.884 134.187,23.652 134.537,23.302 135.158,23.302 135.509,23.652 135.509,28.884 135.725,29.1 136.157,29.1 136.373,28.884 136.373,23.652 136.723,23.302 137.344,23.302 137.695,23.652 137.695,28.884 137.911,29.1 138.343,29.1 138.559,28.884 138.559,26.004 138.909,25.654 139.53,25.654 139.881,26.004 139.881,28.068 140.097,28.284 140.215,28.284 140.563,28.284 142.553,26.294 142.553,25.791 v1(142.58,25.763)
  L8 w0.12: v1@142.552,25.756 142.607,25.701 143.036,25.701 144.022,24.715 144.022,24.599 144.022,24.236 143.802,24.015 142.115,24.015 141.736,23.637 141.736,22.972 142.115,22.593 143.802,22.593 144.022,22.373 144.022,22.234 144.022,21.375 144.515,20.882 144.947,20.45 151.17,20.45 151.385,20.235 151.385,20.115 J11_Slot5.D3@150.82,19.55
5_DIFF_1_N: J3.K3 J11_Slot5.B3 | length 243
  L4 w0.102: v1(139.612,16.752) 139.936,16.428 139.936,16.019 140.155,15.8 142.469,15.8 145.031,18.362 147.206,18.362 147.435,18.591 147.435,18.965 J11_Slot5.B3@148.02,19.55
  L12 w0.102: J3.K3@8.22,48.55 7.635,47.965 7.635,47.802 7.711,47.725 9.663,47.725 18.206,39.182 18.206,34.364 20.501,32.069 68.422,32.069 74.036,26.455 74.036,15.752 73.693,15.41 73.693,5.979 74.743,4.929 82.929,4.929 87.379,9.379 87.742,9.379 87.861,9.379 88.14,9.658 88.14,10.427 88.554,10.841 89.302,10.841 89.716,10.427 89.716,8.609 89.995,8.329 90.554,8.329 90.834,8.609 90.834,10.427 91.248,10.841 91.996,10.841 92.41,10.427 92.41,8.609 92.689,8.329 93.248,8.329 93.528,8.609 93.528,10.427 93.942,10.841 94.69,10.841 95.104,10.427 95.104,8.609 95.383,8.329 95.942,8.329 96.222,8.609 96.222,10.427 96.636,10.841 97.384,10.841 97.798,10.427 97.798,8.609 98.077,8.329 98.636,8.329 98.916,8.609 98.916,10.427 99.33,10.841 100.078,10.841 100.492,10.427 100.492,9.658 100.771,9.379 100.986,9.379 101.053,9.379 104.919,5.513 112.215,5.513 115.881,9.179 116.8,9.179 116.918,9.179 117.198,9.458 117.198,10.498 117.611,10.912 118.36,10.912 118.774,10.498 118.774,8.16 119.053,7.881 119.612,7.881 119.892,8.16 119.892,10.498 120.305,10.912 121.054,10.912 121.468,10.498 121.468,8.16 121.747,7.881 122.306,7.881 122.586,8.16 122.586,10.498 122.999,10.912 123.748,10.912 124.162,10.498 124.162,8.16 124.441,7.881 125,7.881 125.28,8.16 125.28,10.498 125.693,10.912 126.442,10.912 126.856,10.498 126.856,9.458 127.135,9.179 128.278,9.179 128.411,9.046 128.844,8.613 128.928,8.53 129.323,8.53 130.449,9.656 131.034,9.656 131.564,9.127 131.564,8.542 130.437,7.415 130.437,7.02 130.919,6.538 131.716,5.742 142.848,5.742 145.54,8.434 145.54,10.72 142.051,14.209 140.638,14.209 139.936,14.91 139.936,16.066 139.936,16.414 139.612,16.738 v1(139.612,16.752)
5_DIFF_1_P: J3.J3 J11_Slot5.A3 | length 243
  L4 w0.102: v1(140.489,16.752) 140.165,16.428 140.165,16.114 140.25,16.029 142.374,16.029 144.936,18.591 147.111,18.591 147.205,18.685 147.205,18.965 J11_Slot5.A3@146.62,19.55
  L12 w0.102: J3.J3@6.82,48.55 7.406,47.964 7.406,47.707 7.617,47.496 9.568,47.496 17.977,39.087 17.977,34.269 20.407,31.84 68.327,31.84 73.807,26.36 73.807,15.847 73.464,15.504 73.464,5.885 74.649,4.7 83.024,4.7 87.474,9.15 87.742,9.15 87.955,9.15 88.369,9.564 88.369,10.332 88.648,10.612 89.207,10.612 89.487,10.332 89.487,8.514 89.901,8.1 90.649,8.1 91.063,8.514 91.063,10.332 91.342,10.612 91.901,10.612 92.181,10.332 92.181,8.514 92.595,8.1 93.343,8.1 93.757,8.514 93.757,10.332 94.036,10.612 94.595,10.612 94.875,10.332 94.875,8.514 95.289,8.1 96.037,8.1 96.451,8.514 96.451,10.332 96.73,10.612 97.289,10.612 97.569,10.332 97.569,8.514 97.983,8.1 98.731,8.1 99.145,8.514 99.145,10.332 99.424,10.612 99.983,10.612 100.263,10.332 100.263,9.564 100.677,9.15 100.958,9.15 100.986,9.122 104.824,5.284 112.31,5.284 115.976,8.95 116.8,8.95 117.013,8.95 117.427,9.364 117.427,10.403 117.706,10.683 118.265,10.683 118.545,10.403 118.545,8.065 118.958,7.652 119.707,7.652 120.121,8.065 120.121,10.403 120.4,10.683 120.959,10.683 121.239,10.403 121.239,8.065 121.652,7.652 122.401,7.652 122.815,8.065 122.815,10.403 123.094,10.683 123.653,10.683 123.933,10.403 123.933,8.065 124.346,7.652 125.095,7.652 125.509,8.065 125.509,10.403 125.788,10.683 126.347,10.683 126.627,10.403 126.627,9.364 127.04,8.95 128.183,8.95 128.411,8.722 128.682,8.451 128.833,8.301 129.418,8.301 130.544,9.427 130.939,9.427 131.335,9.032 131.335,8.637 130.208,7.51 130.208,6.925 130.758,6.376 131.621,5.513 142.942,5.513 145.769,8.339 145.769,10.815 145.702,10.882 142.146,14.438 140.732,14.438 140.165,15.005 140.165,15.971 140.165,16.414 140.489,16.738 v1(140.489,16.752)
5_DIFF_2_N: J3.B1 J11_Slot5.C4 | length 242.6
  L2 w0.102: J3.B1@-4.38,44.55 -4.965,43.965 -4.965,43.893 -4.784,43.712 10.062,43.712 11.831,41.943 11.831,33.923 15.336,30.418 16.758,28.996 42.463,28.996 42.844,28.614 43.733,27.726 74.696,27.726 75.102,27.319 75.534,26.887 101.803,26.887 102.428,26.262 102.64,26.05 104.083,26.05 104.433,25.7 104.433,21.317 104.649,21.101 105.081,21.101 105.297,21.317 105.297,25.86 105.647,26.211 106.269,26.211 106.619,25.86 106.619,21.317 106.835,21.101 107.267,21.101 107.483,21.317 107.483,25.86 107.833,26.211 108.455,26.211 108.805,25.86 108.805,21.317 109.021,21.101 109.453,21.101 109.669,21.317 109.669,25.86 110.019,26.211 110.641,26.211 110.991,25.86 110.991,21.317 111.207,21.101 111.639,21.101 111.855,21.317 111.855,25.86 112.205,26.211 112.827,26.211 113.177,25.86 113.177,21.317 113.393,21.101 113.825,21.101 114.041,21.317 114.041,25.7 114.391,26.05 114.604,26.05 114.74,26.05 115.45,26.76 131.856,26.76 132.94,25.676 132.94,23.45 133.684,22.706 139.64,22.706 139.758,22.706 139.974,22.922 139.974,25.246 140.324,25.596 140.946,25.596 141.296,25.246 141.296,21.453 141.512,21.238 141.944,21.238 142.16,21.453 142.16,24.687 142.51,25.037 143.132,25.037 143.482,24.687 143.482,21.453 143.698,21.238 144.13,21.238 144.346,21.453 144.346,27.156 144.696,27.506 145.318,27.506 145.668,27.156 145.668,22.922 145.884,22.706 146.282,22.706 148.405,22.706 148.735,22.377 148.735,22.136 J11_Slot5.C4@149.32,21.55
5_DIFF_2_P: J3.A1 J11_Slot5.B4 | length 242.6
  L2 w0.102: J3.A1@-5.78,44.55 -5.195,43.965 -5.195,43.799 -4.879,43.483 9.967,43.483 11.602,41.848 11.602,33.828 15.012,30.418 15.174,30.256 16.663,28.767 42.368,28.767 42.521,28.614 42.682,28.452 43.638,27.497 74.601,27.497 74.779,27.319 74.94,27.157 75.439,26.658 101.708,26.658 102.309,26.057 102.545,25.821 103.988,25.821 104.204,25.605 104.204,21.222 104.554,20.872 105.176,20.872 105.526,21.222 105.526,25.766 105.742,25.982 106.174,25.982 106.39,25.766 106.39,21.222 106.74,20.872 107.362,20.872 107.712,21.222 107.712,25.766 107.928,25.982 108.36,25.982 108.576,25.766 108.576,21.222 108.926,20.872 109.548,20.872 109.898,21.222 109.898,25.766 110.114,25.982 110.546,25.982 110.762,25.766 110.762,21.222 111.112,20.872 111.734,20.872 112.084,21.222 112.084,25.766 112.3,25.982 112.732,25.982 112.948,25.766 112.948,21.222 113.298,20.872 113.92,20.872 114.27,21.222 114.27,25.605 114.486,25.821 114.604,25.821 114.835,25.821 115.545,26.531 131.761,26.531 132.711,25.582 132.711,23.355 133.589,22.477 139.64,22.477 139.853,22.477 140.203,22.827 140.203,25.151 140.419,25.367 140.851,25.367 141.067,25.151 141.067,21.359 141.417,21.009 142.039,21.009 142.389,21.359 142.389,24.592 142.605,24.808 143.037,24.808 143.253,24.592 143.253,21.359 143.603,21.009 144.225,21.009 144.575,21.359 144.575,27.061 144.791,27.277 145.223,27.277 145.439,27.061 145.439,22.827 145.789,22.477 146.282,22.477 148.31,22.477 148.505,22.282 148.505,22.136 J11_Slot5.B4@147.92,21.55
5_DIFF_3_N: J3.B7 J11_Slot5.L4 | length 244.6
  L10 w0.102: J3.B7@-4.38,56.55 -4.965,55.965 -4.965,55.908 -4.682,55.625 11.662,55.625 18.156,49.131 18.156,43.009 21.578,39.587 82.527,39.587 88.135,33.979 88.48,33.979 88.598,33.979 88.878,34.258 88.878,35.851 89.292,36.265 90.04,36.265 90.454,35.851 90.454,31.972 90.733,31.693 91.292,31.693 91.572,31.972 91.572,35.851 91.986,36.265 92.734,36.265 93.148,35.851 93.148,31.972 93.427,31.693 93.986,31.693 94.266,31.972 94.266,35.851 94.68,36.265 95.428,36.265 95.842,35.851 95.842,31.972 96.121,31.693 96.68,31.693 96.96,31.972 96.96,35.082 97.374,35.496 98.122,35.496 98.536,35.082 98.536,34.258 98.815,33.979 99.431,33.979 99.835,33.979 101.059,32.754 139.397,32.754 139.515,32.754 139.795,33.034 139.795,33.877 140.208,34.29 140.957,34.29 141.371,33.877 141.371,32.231 141.65,31.951 142.209,31.951 142.489,32.231 142.489,33.877 142.902,34.29 143.651,34.29 144.065,33.877 144.065,32.231 144.344,31.951 144.903,31.951 145.183,32.231 145.183,33.877 145.596,34.29 146.345,34.29 146.759,33.877 146.759,32.231 147.038,31.951 147.597,31.951 147.877,32.231 147.877,32.341 148.29,32.754 148.651,32.754 168.639,32.754 168.707,32.687 168.742,32.652 168.984,32.41 169.424,32.41 v1(169.452,32.382)
  L12 w0.102: J11_Slot5.L4@161.92,21.55 161.335,22.136 161.335,22.251 161.51,22.426 164.12,22.426 166.02,22.426 168.138,24.544 168.138,25.866 170.049,27.777 170.049,31.345 169.749,31.645 169.48,31.914 169.48,32.354 v1(169.452,32.382)
5_DIFF_3_P: J3.A7 J11_Slot5.K4 | length 244.6
  L10 w0.102: J3.A7@-5.78,56.55 -5.195,55.965 -5.195,55.813 -4.777,55.396 11.567,55.396 17.927,49.036 17.927,42.914 21.483,39.358 82.432,39.358 84.54,37.25 84.702,37.088 88.04,33.75 88.48,33.75 88.693,33.75 89.107,34.164 89.107,35.757 89.386,36.036 89.945,36.036 90.225,35.757 90.225,31.878 90.639,31.464 91.387,31.464 91.801,31.878 91.801,35.757 92.08,36.036 92.639,36.036 92.919,35.757 92.919,31.878 93.333,31.464 94.081,31.464 94.495,31.878 94.495,35.757 94.774,36.036 95.333,36.036 95.613,35.757 95.613,31.878 96.027,31.464 96.775,31.464 97.189,31.878 97.189,34.987 97.468,35.267 98.027,35.267 98.307,34.987 98.307,34.164 98.721,33.75 99.431,33.75 99.74,33.75 99.902,33.588 100.965,32.525 139.397,32.525 139.61,32.525 140.024,32.939 140.024,33.782 140.303,34.061 140.862,34.061 141.142,33.782 141.142,32.136 141.555,31.722 142.304,31.722 142.718,32.136 142.718,33.782 142.997,34.061 143.556,34.061 143.836,33.782 143.836,32.136 144.249,31.722 144.998,31.722 145.412,32.136 145.412,33.782 145.691,34.061 146.25,34.061 146.53,33.782 146.53,32.136 146.943,31.722 147.692,31.722 148.106,32.136 148.106,32.246 148.385,32.525 148.651,32.525 168.545,32.525 168.647,32.423 168.822,32.248 168.822,31.807 v1(168.85,31.78)
  L12 w0.102: J11_Slot5.K4@160.52,21.55 161.105,22.136 161.105,22.346 161.415,22.655 165.925,22.655 167.909,24.639 167.909,25.961 169.82,27.872 169.82,31.25 169.318,31.752 168.877,31.752 v1(168.85,31.78)
5_DIFF_4_N: J3.E7 J11_Slot5.I4 | length 244.8
  L4 w0.102: J3.E7@-0.18,56.55 -0.765,55.965 -0.765,55.725 -0.691,55.65 10.431,55.65 27.256,38.825 57.748,38.825 60.053,36.52 102.845,36.52 104.643,38.317 107.453,38.317 111.92,33.85 112.691,33.079 139.16,33.079 140.379,33.079 140.793,32.665 140.793,31.827 141.072,31.548 141.631,31.548 141.911,31.827 141.911,32.829 142.325,33.242 143.073,33.242 143.487,32.829 143.487,31.827 143.766,31.548 144.325,31.548 144.605,31.827 144.605,32.829 145.019,33.242 145.767,33.242 146.181,32.829 146.181,31.827 146.46,31.548 147.019,31.548 147.299,31.827 147.299,32.665 147.713,33.079 147.926,33.079 150.64,33.079 152.371,33.079 152.784,32.665 152.784,31.072 153.064,30.793 153.623,30.793 153.902,31.072 153.902,32.752 154.316,33.165 155.065,33.165 155.478,32.752 155.478,31.072 155.758,30.793 156.317,30.793 156.596,31.072 156.596,32.752 157.01,33.165 157.759,33.165 158.172,32.752 158.172,31.072 158.452,30.793 159.011,30.793 159.29,31.072 159.29,32.752 159.704,33.165 160.453,33.165 160.866,32.752 160.866,31.072 161.146,30.793 161.705,30.793 161.984,31.072 161.984,32.752 162.398,33.165 163.147,33.165 163.56,32.752 163.56,31.072 163.84,30.793 164.399,30.793 164.678,31.072 164.678,32.665 165.092,33.079 165.305,33.079 165.906,33.079 166.54,32.445 166.54,32.041 166.852,31.729 v1(166.852,31.69)
  L8 w0.12: J11_Slot5.I4@157.72,21.55 157.155,22.115 157.155,22.259 157.327,22.431 163.059,22.431 163.159,22.431 164.34,21.25 164.34,19.48 165.54,18.28 172.852,18.28 173.71,19.138 173.71,23.97 172.324,25.356 172.324,27.458 170.932,28.85 168.82,28.85 166.561,31.109 166.561,31.305 166.852,31.596 v1(166.852,31.69)